# Altium PCB PCB3.PcbDoc (part 6 of 9)
Units mm, origin at the board's own origin, x right, y up, seen from the top; angles counter-clockwise.
Board outline 233.8 x 110.5 mm, 4 copper layers (Top Layer, Layer 1, Layer 2, Bottom Layer), stack 0.603 mm thick; 1414 components, 1732 nets, 4924 pads, 691 vias.
Unrouted connection lines stored in the file: 2464.
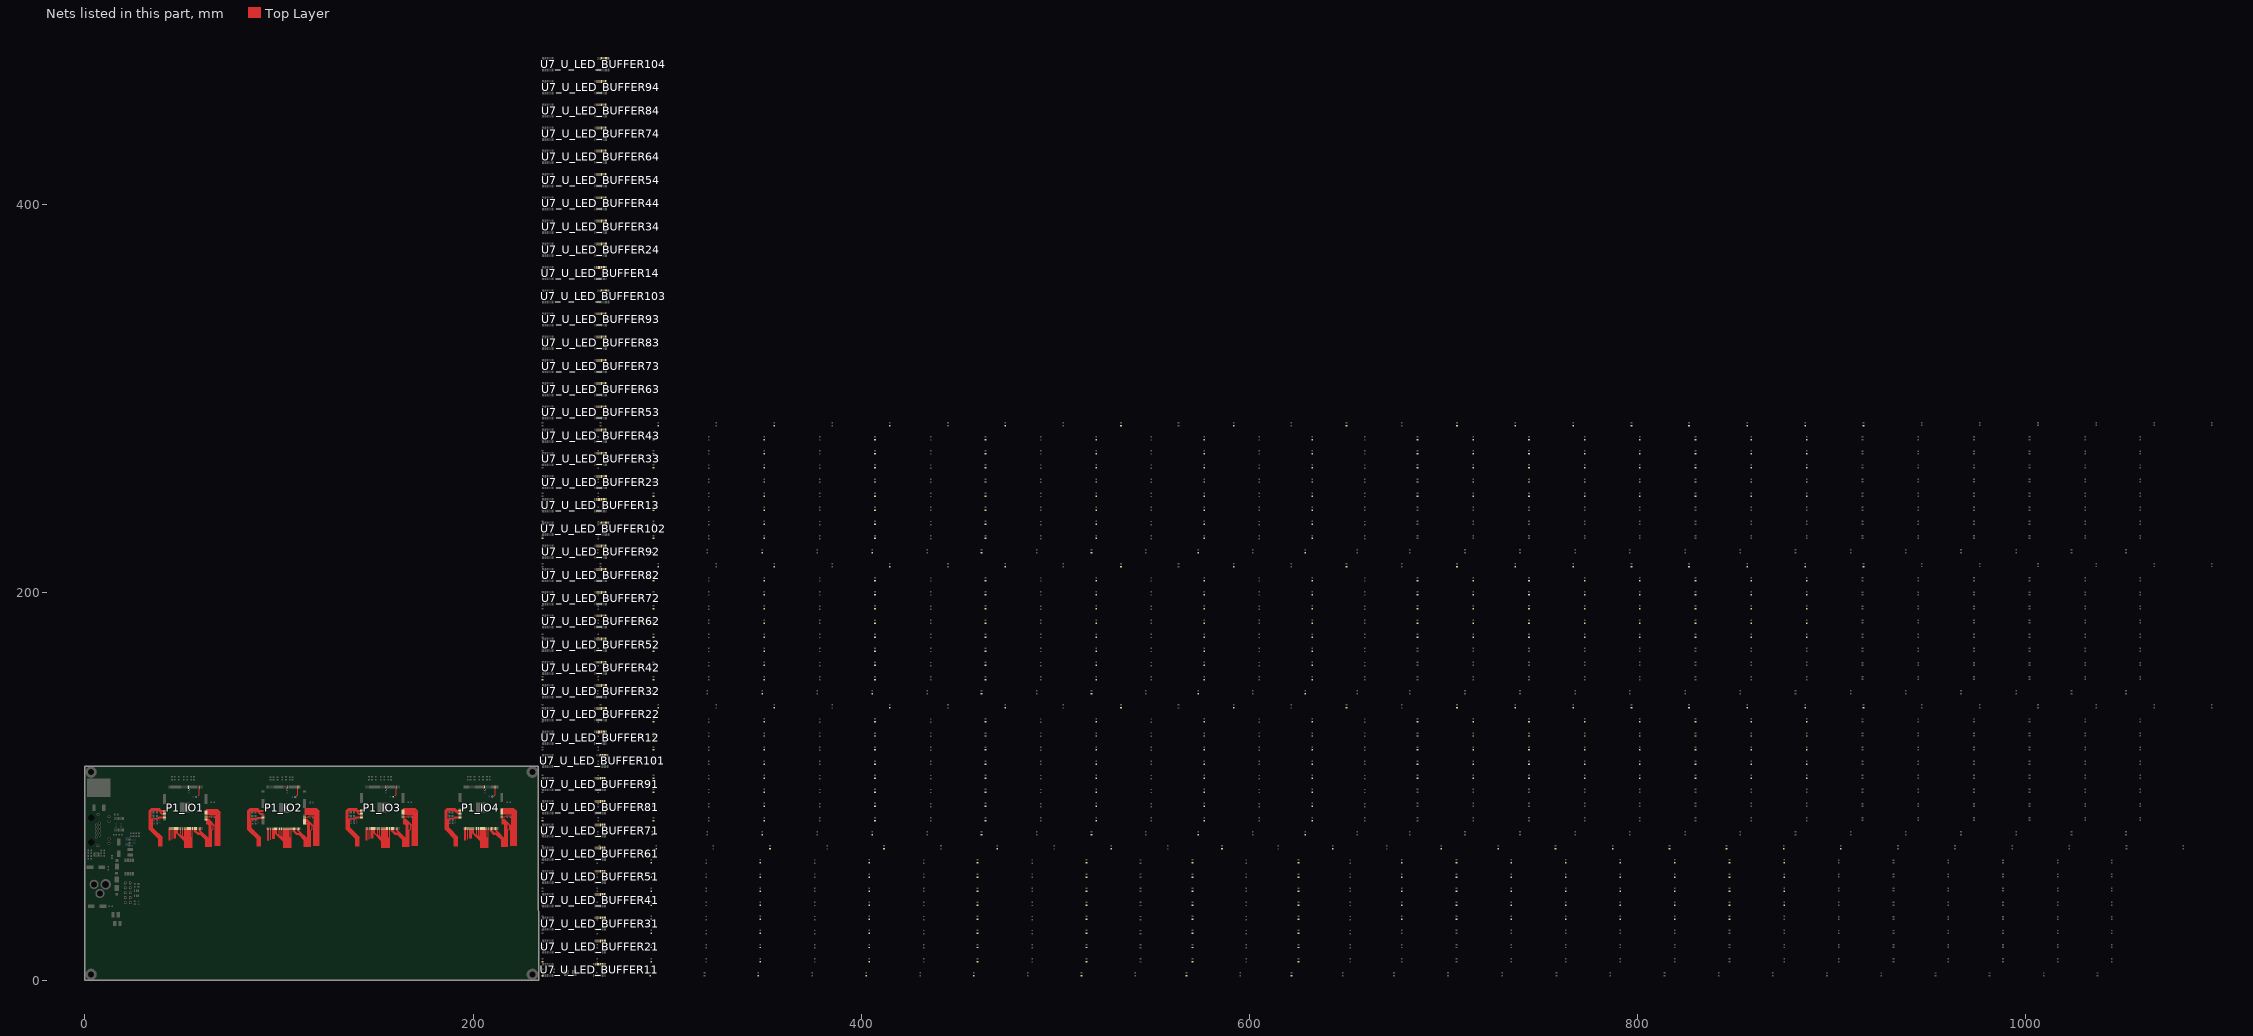
[diagram p8: the nets of this part, all layers, seen from the top]

## Via types
v1: diameter 0.61, hole 0.305, Top Layer to Bottom Layer, 691 vias

## Nets (pads, with @x,y where several pads share a name; then routed paths per layer and width w, separated by ;. In a path a pad name is that pad's centre, name@x,y a point inside that pad or via, vN(x,y) a via of type N, cw(c..) or ccw(c..) an arc to the next point about the centre after c; other vN are vias at no path point) (continued)
GPIO_32_IO2: P1_IO2.90 R47_U_LED_BUFFER52.2 | length 25.9
  Top Layer w0.178: P1_IO2.90@113.248,88.703 113.253,88.698 119.226,88.698 120.82,87.104 120.82,69.422
GPIO_32_IO3: P1_IO3.90 R47_U_LED_BUFFER53.2 | length 25.9
  Top Layer w0.178: P1_IO3.90@163.969,88.791 163.974,88.786 169.947,88.786 171.542,87.191 171.542,69.51
GPIO_32_IO4: P1_IO4.90 R47_U_LED_BUFFER54.2 | length 25.9
  Top Layer w0.178: P1_IO4.90@214.845,88.795 214.85,88.79 220.823,88.79 222.418,87.195 222.418,69.513
GPIO_33_IO1: P1_IO1.87 R48_U_LED_BUFFER51.2 | length 23.6
  Top Layer w0.178: P1_IO1.87@62.42,87.269 62.425,87.264 67.776,87.264 68.926,86.115 68.926,69.488
GPIO_33_IO2: P1_IO2.87 R48_U_LED_BUFFER52.2 | length 23.6
  Top Layer w0.178: P1_IO2.87@113.248,87.203 113.253,87.198 118.604,87.198 119.753,86.049 119.753,69.422
GPIO_33_IO3: P1_IO3.87 R48_U_LED_BUFFER53.2 | length 23.6
  Top Layer w0.178: P1_IO3.87@163.969,87.291 163.974,87.286 169.326,87.286 170.475,86.137 170.475,69.51
GPIO_33_IO4: P1_IO4.87 R48_U_LED_BUFFER54.2 | length 23.6
  Top Layer w0.178: P1_IO4.87@214.845,87.295 214.85,87.29 220.202,87.29 221.351,86.14 221.351,69.513
GPIO_34_IO1: P1_IO1.88 R49_U_LED_BUFFER51.2 | length 24.4
  Top Layer w0.178: P1_IO1.88@62.42,87.769 62.425,87.764 67.984,87.764 69.281,86.467 69.281,69.488
GPIO_34_IO2: P1_IO2.88 R49_U_LED_BUFFER52.2 | length 24.4
  Top Layer w0.178: P1_IO2.88@113.248,87.703 113.253,87.698 118.811,87.698 120.109,86.401 120.109,69.422
GPIO_34_IO3: P1_IO3.88 R49_U_LED_BUFFER53.2 | length 24.4
  Top Layer w0.178: P1_IO3.88@163.969,87.791 163.974,87.786 169.533,87.786 170.83,86.488 170.83,69.51
GPIO_34_IO4: P1_IO4.88 R49_U_LED_BUFFER54.2 | length 24.4
  Top Layer w0.178: P1_IO4.88@214.845,87.795 214.85,87.79 220.409,87.79 221.707,86.492 221.707,69.513
GPIO_35_IO1: P1_IO1.89 R50_U_LED_BUFFER51.2 | length 25.1
  Top Layer w0.178: P1_IO1.89@62.42,88.269 62.425,88.264 68.191,88.264 69.637,86.818 69.637,69.488
GPIO_35_IO2: P1_IO2.89 R50_U_LED_BUFFER52.2 | length 25.1
  Top Layer w0.178: P1_IO2.89@113.248,88.203 113.253,88.198 119.019,88.198 120.465,86.752 120.465,69.422
GPIO_35_IO3: P1_IO3.89 R50_U_LED_BUFFER53.2 | length 25.1
  Top Layer w0.178: P1_IO3.89@163.969,88.291 163.974,88.286 169.74,88.286 171.186,86.84 171.186,69.51
GPIO_35_IO4: P1_IO4.89 R50_U_LED_BUFFER54.2 | length 25.1
  Top Layer w0.178: P1_IO4.89@214.845,88.295 214.85,88.29 220.616,88.29 222.062,86.843 222.062,69.513
GPIO_36_IO1: P1_IO1.86 R51_U_LED_BUFFER51.2 | length 22.8
  Top Layer w0.178: P1_IO1.86@62.42,86.769 62.425,86.764 67.569,86.764 68.57,85.764 68.57,69.488
GPIO_36_IO2: P1_IO2.86 R51_U_LED_BUFFER52.2 | length 22.8
  Top Layer w0.178: P1_IO2.86@113.248,86.703 113.253,86.698 118.397,86.698 119.398,85.698 119.398,69.422
GPIO_36_IO3: P1_IO3.86 R51_U_LED_BUFFER53.2 | length 22.8
  Top Layer w0.178: P1_IO3.86@163.969,86.791 163.974,86.786 169.119,86.786 170.119,85.785 170.119,69.51
GPIO_36_IO4: P1_IO4.86 R51_U_LED_BUFFER54.2 | length 22.8
  Top Layer w0.178: P1_IO4.86@214.845,86.795 214.85,86.79 219.995,86.79 220.995,85.789 220.995,69.513
GPIO_37_IO1: P1_IO1.85 R52_U_LED_BUFFER51.2 | length 22.1
  Top Layer w0.178: P1_IO1.85@62.42,86.269 62.425,86.264 67.362,86.264 68.205,85.422 68.205,69.488
GPIO_37_IO2: P1_IO2.85 R52_U_LED_BUFFER52.2 | length 22.1
  Top Layer w0.178: P1_IO2.85@113.248,86.203 113.253,86.198 118.19,86.198 119.033,85.356 119.033,69.422
GPIO_37_IO3: P1_IO3.85 R52_U_LED_BUFFER53.2 | length 22.1
  Top Layer w0.178: P1_IO3.85@163.969,86.291 163.974,86.286 168.911,86.286 169.754,85.443 169.754,69.51
GPIO_37_IO4: P1_IO4.85 R52_U_LED_BUFFER54.2 | length 22.1
  Top Layer w0.178: P1_IO4.85@214.845,86.295 214.85,86.29 219.788,86.29 220.63,85.447 220.63,69.513
GPIO_38_IO1: P1_IO1.25 R53_U_LED_BUFFER51.2 | length 27.6
  Top Layer w0.178: 39.089,69.234 39.089,73.444 34.264,78.269 34.264,87.144 34.772,87.652 37.743,87.652 39.626,85.769 P1_IO1.25@40.944,85.769
GPIO_38_IO2: P1_IO2.25 R53_U_LED_BUFFER52.2 | length 27.6
  Top Layer w0.178: 89.917,69.168 89.917,73.378 85.092,78.203 85.092,87.078 85.6,87.586 88.571,87.586 90.454,85.703 P1_IO2.25@91.772,85.703
GPIO_38_IO3: P1_IO3.25 R53_U_LED_BUFFER53.2 | length 27.6
  Top Layer w0.178: 140.638,69.256 140.638,73.466 135.813,78.29 135.813,87.166 136.321,87.674 139.292,87.674 141.175,85.791 P1_IO3.25@142.493,85.791
GPIO_38_IO4: P1_IO4.25 R53_U_LED_BUFFER54.2 | length 27.6
  Top Layer w0.178: 191.514,69.259 191.514,73.469 186.69,78.294 186.69,87.17 187.197,87.678 190.168,87.678 192.051,85.795 P1_IO4.25@193.369,85.795
GPIO_39_IO1: P1_IO1.21 R54_U_LED_BUFFER51.2 | length 29
  Top Layer w0.178: 38.022,69.234 38.022,73.002 33.197,77.827 33.197,87.586 34.33,88.719 38.185,88.719 39.135,87.769 P1_IO1.21@40.944,87.769
GPIO_39_IO2: P1_IO2.21 R54_U_LED_BUFFER52.2 | length 29
  Top Layer w0.178: 88.85,69.168 88.85,72.936 84.025,77.761 84.025,87.52 85.158,88.653 89.013,88.653 89.963,87.703 P1_IO2.21@91.772,87.703
GPIO_39_IO3: P1_IO3.21 R54_U_LED_BUFFER53.2 | length 29
  Top Layer w0.178: 139.571,69.256 139.571,73.024 134.747,77.848 134.747,87.608 135.879,88.741 139.734,88.741 140.684,87.791 P1_IO3.21@142.493,87.791
GPIO_39_IO4: P1_IO4.21 R54_U_LED_BUFFER54.2 | length 29
  Top Layer w0.178: 190.447,69.259 190.447,73.028 185.623,77.852 185.623,87.612 186.756,88.744 190.61,88.744 191.56,87.795 P1_IO4.21@193.369,87.795
GPIO_40_IO1: P1_IO1.22 R47_U_LED_BUFFER61.2 | length 28.4
  Top Layer w0.178: 38.378,69.234 38.378,73.149 33.553,77.974 33.553,87.439 34.477,88.363 38.038,88.363 39.132,87.269 P1_IO1.22@40.944,87.269
GPIO_40_IO2: P1_IO2.22 R47_U_LED_BUFFER62.2 | length 28.4
  Top Layer w0.178: 89.205,69.168 89.205,73.083 84.381,77.908 84.381,87.373 85.305,88.297 88.865,88.297 89.96,87.203 P1_IO2.22@91.772,87.203
GPIO_40_IO3: P1_IO3.22 R47_U_LED_BUFFER63.2 | length 28.4
  Top Layer w0.178: 139.927,69.256 139.927,73.171 135.102,77.996 135.102,87.461 136.027,88.385 139.587,88.385 140.681,87.291 P1_IO3.22@142.493,87.291
GPIO_40_IO4: P1_IO4.22 R47_U_LED_BUFFER64.2 | length 28.4
  Top Layer w0.178: 190.803,69.259 190.803,73.175 185.978,77.999 185.978,87.464 186.903,88.389 190.463,88.389 191.557,87.295 P1_IO4.22@193.369,87.295
GPIO_41_IO1: P1_IO1.24 R48_U_LED_BUFFER61.2 | length 28.1
  Top Layer w0.178: 38.733,69.234 38.733,73.297 33.909,78.121 33.909,87.292 34.625,88.008 37.89,88.008 39.629,86.269 P1_IO1.24@40.944,86.269
GPIO_41_IO2: P1_IO2.24 R48_U_LED_BUFFER62.2 | length 28.1
  Top Layer w0.178: 89.561,69.168 89.561,73.231 84.737,78.055 84.737,87.226 85.453,87.942 88.718,87.942 90.457,86.203 P1_IO2.24@91.772,86.203
GPIO_41_IO3: P1_IO3.24 R48_U_LED_BUFFER63.2 | length 28.1
  Top Layer w0.178: 140.282,69.256 140.282,73.318 135.458,78.143 135.458,87.313 136.174,88.029 139.439,88.029 141.178,86.291 P1_IO3.24@142.493,86.291
GPIO_41_IO4: P1_IO4.24 R48_U_LED_BUFFER64.2 | length 28.1
  Top Layer w0.178: 191.159,69.259 191.159,73.322 186.334,78.147 186.334,87.317 187.05,88.033 190.316,88.033 192.054,86.295 P1_IO4.24@193.369,86.295
GPIO_42_IO1: P1_IO1.39 R49_U_LED_BUFFER61.2 | length 6.1
  Top Layer w0.178: 43.932,72.199 P1_IO1.39@43.932,78.281
GPIO_42_IO2: P1_IO2.39 R49_U_LED_BUFFER62.2 | length 6.1
  Top Layer w0.178: 94.76,72.132 P1_IO2.39@94.76,78.215
GPIO_42_IO3: P1_IO3.39 R49_U_LED_BUFFER63.2 | length 6.1
  Top Layer w0.178: 145.481,72.22 P1_IO3.39@145.481,78.303
GPIO_42_IO4: P1_IO4.39 R49_U_LED_BUFFER64.2 | length 6.1
  Top Layer w0.178: 196.357,72.224 P1_IO4.39@196.357,78.307
GPIO_43_IO1: P1_IO1.28 R50_U_LED_BUFFER61.2 | length 22.7
  Top Layer w0.178: 39.444,69.234 39.444,73.591 34.62,78.416 34.62,83.072 35.218,83.671 37.695,83.671 38.293,84.269 P1_IO1.28@40.944,84.269
GPIO_43_IO2: P1_IO2.28 R50_U_LED_BUFFER62.2 | length 22.7
  Top Layer w0.178: 90.272,69.168 90.272,73.525 85.448,78.35 85.448,83.006 86.046,83.604 88.523,83.604 89.121,84.203 P1_IO2.28@91.772,84.203
GPIO_43_IO3: P1_IO3.28 R50_U_LED_BUFFER63.2 | length 22.7
  Top Layer w0.178: 140.994,69.256 140.994,73.613 136.169,78.437 136.169,83.093 136.768,83.692 139.244,83.692 139.842,84.291 P1_IO3.28@142.493,84.291
GPIO_43_IO4: P1_IO4.28 R50_U_LED_BUFFER64.2 | length 22.7
  Top Layer w0.178: 191.87,69.259 191.87,73.617 187.045,78.441 187.045,83.097 187.644,83.696 190.12,83.696 190.719,84.295 P1_IO4.28@193.369,84.295
GPIO_44_IO1: P1_IO1.29 R51_U_LED_BUFFER61.2 | length 22
  Top Layer w0.178: 39.8,69.234 39.8,73.739 34.975,78.563 34.975,82.925 35.302,83.251 37.778,83.251 38.296,83.769 P1_IO1.29@40.944,83.769
GPIO_44_IO2: P1_IO2.29 R51_U_LED_BUFFER62.2 | length 22
  Top Layer w0.178: 90.628,69.168 90.628,73.673 85.803,78.497 85.803,82.858 86.13,83.185 88.606,83.185 89.124,83.703 P1_IO2.29@91.772,83.703
GPIO_44_IO3: P1_IO3.29 R51_U_LED_BUFFER63.2 | length 22
  Top Layer w0.178: 141.349,69.256 141.349,73.76 136.525,78.585 136.525,82.946 136.851,83.273 139.328,83.273 139.845,83.791 P1_IO3.29@142.493,83.791
GPIO_44_IO4: P1_IO4.29 R51_U_LED_BUFFER64.2 | length 22
  Top Layer w0.178: 192.225,69.259 192.225,73.764 187.401,78.589 187.401,82.95 187.728,83.277 190.204,83.277 190.722,83.795 P1_IO4.29@193.369,83.795
GPIO_45_IO1: P1_IO1.38 R52_U_LED_BUFFER61.2 | length 6
  Top Layer w0.178: 43.432,72.248 P1_IO1.38@43.432,78.281
GPIO_45_IO2: P1_IO2.38 R52_U_LED_BUFFER62.2 | length 6
  Top Layer w0.178: 94.26,72.182 P1_IO2.38@94.26,78.215
GPIO_45_IO3: P1_IO3.38 R52_U_LED_BUFFER63.2 | length 6
  Top Layer w0.178: 144.981,72.27 P1_IO3.38@144.981,78.303
GPIO_45_IO4: P1_IO4.38 R52_U_LED_BUFFER64.2 | length 6
  Top Layer w0.178: 195.857,72.273 P1_IO4.38@195.857,78.307
GPIO_46_IO1: P1_IO1.45 R53_U_LED_BUFFER61.2 | length 5.1
  Top Layer w0.178: 46.932,73.187 P1_IO1.45@46.932,78.281
GPIO_46_IO2: P1_IO2.45 R53_U_LED_BUFFER62.2 | length 5.1
  Top Layer w0.178: 97.76,73.121 P1_IO2.45@97.76,78.215
GPIO_46_IO3: P1_IO3.45 R53_U_LED_BUFFER63.2 | length 5.1
  Top Layer w0.178: 148.481,73.209 P1_IO3.45@148.481,78.303
GPIO_46_IO4: P1_IO4.45 R53_U_LED_BUFFER64.2 | length 5.1
  Top Layer w0.178: 199.357,73.212 P1_IO4.45@199.357,78.307
GPIO_47_IO1: P1_IO1.41 R54_U_LED_BUFFER61.2 | length 5.6
  Top Layer w0.178: 44.932,72.696 P1_IO1.41@44.932,78.281
GPIO_47_IO2: P1_IO2.41 R54_U_LED_BUFFER62.2 | length 5.6
  Top Layer w0.178: 95.76,72.63 P1_IO2.41@95.76,78.215
GPIO_47_IO3: P1_IO3.41 R54_U_LED_BUFFER63.2 | length 5.6
  Top Layer w0.178: 146.481,72.717 P1_IO3.41@146.481,78.303
GPIO_47_IO4: P1_IO4.41 R54_U_LED_BUFFER64.2 | length 5.6
  Top Layer w0.178: 197.357,72.721 P1_IO4.41@197.357,78.307
GPIO_48_IO1: P1_IO1.43 R47_U_LED_BUFFER71.2 | length 5.1
  Top Layer w0.178: 45.932,73.193 P1_IO1.43@45.932,78.281
GPIO_48_IO2: P1_IO2.43 R47_U_LED_BUFFER72.2 | length 5.1
  Top Layer w0.178: 96.76,73.127 P1_IO2.43@96.76,78.215
GPIO_48_IO3: P1_IO3.43 R47_U_LED_BUFFER73.2 | length 5.1
  Top Layer w0.178: 147.481,73.214 P1_IO3.43@147.481,78.303
GPIO_48_IO4: P1_IO4.43 R47_U_LED_BUFFER74.2 | length 5.1
  Top Layer w0.178: 198.357,73.218 P1_IO4.43@198.357,78.307
GPIO_49_IO1: P1_IO1.44 R48_U_LED_BUFFER71.2 | length 5.1
  Top Layer w0.178: 46.432,73.19 P1_IO1.44@46.432,78.281
GPIO_49_IO2: P1_IO2.44 R48_U_LED_BUFFER72.2 | length 5.1
  Top Layer w0.178: 97.26,73.124 P1_IO2.44@97.26,78.215
GPIO_49_IO3: P1_IO3.44 R48_U_LED_BUFFER73.2 | length 5.1
  Top Layer w0.178: 147.981,73.211 P1_IO3.44@147.981,78.303
GPIO_49_IO4: P1_IO4.44 R48_U_LED_BUFFER74.2 | length 5.1
  Top Layer w0.178: 198.857,73.215 P1_IO4.44@198.857,78.307
GPIO_50_IO1: P1_IO1.52 R49_U_LED_BUFFER71.2 | length 10.7
  Top Layer w0.178: P1_IO1.52@50.432,78.281 50.432,74.275 52.587,72.12 52.587,68.476
GPIO_50_IO2: P1_IO2.52 R49_U_LED_BUFFER72.2 | length 10.7
  Top Layer w0.178: P1_IO2.52@101.26,78.215 101.26,74.209 103.415,72.054 103.415,68.41
GPIO_50_IO3: P1_IO3.52 R49_U_LED_BUFFER73.2 | length 10.7
  Top Layer w0.178: P1_IO3.52@151.981,78.303 151.981,74.297 154.136,72.141 154.136,68.498
GPIO_50_IO4: P1_IO4.52 R49_U_LED_BUFFER74.2 | length 10.7
  Top Layer w0.178: P1_IO4.52@202.857,78.307 202.857,74.301 205.013,72.145 205.013,68.502
GPIO_51_IO1: P1_IO1.46 R50_U_LED_BUFFER71.2 | length 11.5
  Top Layer w0.178: P1_IO1.46@47.432,78.281 47.432,75.766 51.52,71.678 51.52,68.476
GPIO_51_IO2: P1_IO2.46 R50_U_LED_BUFFER72.2 | length 11.5
  Top Layer w0.178: P1_IO2.46@98.26,78.215 98.26,75.7 102.348,71.612 102.348,68.41
GPIO_51_IO3: P1_IO3.46 R50_U_LED_BUFFER73.2 | length 11.5
  Top Layer w0.178: P1_IO3.46@148.981,78.303 148.981,75.788 153.07,71.7 153.07,68.498
GPIO_51_IO4: P1_IO4.46 R50_U_LED_BUFFER74.2 | length 11.5
  Top Layer w0.178: P1_IO4.46@199.857,78.307 199.857,75.792 203.946,71.703 203.946,68.502
GPIO_52_IO1: P1_IO1.47 R51_U_LED_BUFFER71.2 | length 11.4
  Top Layer w0.178: P1_IO1.47@47.932,78.281 47.932,75.769 51.876,71.825 51.876,68.476
GPIO_52_IO2: P1_IO2.47 R51_U_LED_BUFFER72.2 | length 11.4
  Top Layer w0.178: P1_IO2.47@98.76,78.215 98.76,75.703 102.704,71.759 102.704,68.41
GPIO_52_IO3: P1_IO3.47 R51_U_LED_BUFFER73.2 | length 11.4
  Top Layer w0.178: P1_IO3.47@149.481,78.303 149.481,75.791 153.425,71.847 153.425,68.498
GPIO_52_IO4: P1_IO4.47 R51_U_LED_BUFFER74.2 | length 11.4
  Top Layer w0.178: P1_IO4.47@200.357,78.307 200.357,75.795 204.301,71.851 204.301,68.502
GPIO_53_IO1: P1_IO1.50 R52_U_LED_BUFFER71.2 | length 11
  Top Layer w0.178: P1_IO1.50@49.432,78.281 49.432,74.772 52.232,71.973 52.232,68.476
GPIO_53_IO2: P1_IO2.50 R52_U_LED_BUFFER72.2 | length 11
  Top Layer w0.178: P1_IO2.50@100.26,78.215 100.26,74.706 103.06,71.907 103.06,68.41
GPIO_53_IO3: P1_IO3.50 R52_U_LED_BUFFER73.2 | length 11
  Top Layer w0.178: P1_IO3.50@150.981,78.303 150.981,74.794 153.781,71.994 153.781,68.498
GPIO_53_IO4: P1_IO4.50 R52_U_LED_BUFFER74.2 | length 11
  Top Layer w0.178: P1_IO4.50@201.857,78.307 201.857,74.798 204.657,71.998 204.657,68.502
GPIO_54_IO1: P1_IO1.57 R53_U_LED_BUFFER71.2 | length 10.3
  Top Layer w0.178: P1_IO1.57@52.932,78.281 52.932,73.787 54.01,72.709 54.01,68.476
GPIO_54_IO2: P1_IO2.57 R53_U_LED_BUFFER72.2 | length 10.3
  Top Layer w0.178: P1_IO2.57@103.76,78.215 103.76,73.721 104.838,72.643 104.838,68.41
GPIO_54_IO3: P1_IO3.57 R53_U_LED_BUFFER73.2 | length 10.3
  Top Layer w0.178: P1_IO3.57@154.481,78.303 154.481,73.808 155.559,72.731 155.559,68.498
GPIO_54_IO4: P1_IO4.57 R53_U_LED_BUFFER74.2 | length 10.3
  Top Layer w0.178: P1_IO4.57@205.357,78.307 205.357,73.812 206.435,72.734 206.435,68.502
GPIO_55_IO1: P1_IO1.54 R54_U_LED_BUFFER71.2 | length 10.4
  Top Layer w0.178: P1_IO1.54@51.432,78.281 51.432,73.778 52.943,72.267 52.943,68.476
GPIO_55_IO2: P1_IO2.54 R54_U_LED_BUFFER72.2 | length 10.4
  Top Layer w0.178: P1_IO2.54@102.26,78.215 102.26,73.712 103.771,72.201 103.771,68.41
GPIO_55_IO3: P1_IO3.54 R54_U_LED_BUFFER73.2 | length 10.4
  Top Layer w0.178: P1_IO3.54@152.981,78.303 152.981,73.8 154.492,72.289 154.492,68.498
GPIO_55_IO4: P1_IO4.54 R54_U_LED_BUFFER74.2 | length 10.4
  Top Layer w0.178: P1_IO4.54@203.857,78.307 203.857,73.803 205.368,72.293 205.368,68.502
GPIO_56_IO1: P1_IO1.55 R47_U_LED_BUFFER81.2 | length 10.4
  Top Layer w0.178: P1_IO1.55@51.932,78.281 51.932,73.781 53.298,72.415 53.298,68.476
GPIO_56_IO2: P1_IO2.55 R47_U_LED_BUFFER82.2 | length 10.4
  Top Layer w0.178: P1_IO2.55@102.76,78.215 102.76,73.715 104.126,72.348 104.126,68.41
GPIO_56_IO3: P1_IO3.55 R47_U_LED_BUFFER83.2 | length 10.4
  Top Layer w0.178: P1_IO3.55@153.481,78.303 153.481,73.802 154.848,72.436 154.848,68.498
GPIO_56_IO4: P1_IO4.55 R47_U_LED_BUFFER84.2 | length 10.4
  Top Layer w0.178: P1_IO4.55@204.357,78.307 204.357,73.806 205.724,72.44 205.724,68.502
GPIO_57_IO1: P1_IO1.56 R48_U_LED_BUFFER81.2 | length 10.3
  Top Layer w0.178: P1_IO1.56@52.432,78.281 52.432,73.784 53.654,72.562 53.654,68.476
GPIO_57_IO2: P1_IO2.56 R48_U_LED_BUFFER82.2 | length 10.3
  Top Layer w0.178: P1_IO2.56@103.26,78.215 103.26,73.718 104.482,72.496 104.482,68.41
GPIO_57_IO3: P1_IO3.56 R48_U_LED_BUFFER83.2 | length 10.3
  Top Layer w0.178: P1_IO3.56@153.981,78.303 153.981,73.805 155.203,72.583 155.203,68.498
GPIO_57_IO4: P1_IO4.56 R48_U_LED_BUFFER84.2 | length 10.3
  Top Layer w0.178: P1_IO4.56@204.857,78.307 204.857,73.809 206.079,72.587 206.079,68.502
GPIO_58_IO1: P1_IO1.62 R49_U_LED_BUFFER81.2 | length 9.8
  Top Layer w0.178: 55.432,68.476 P1_IO1.62@55.432,78.281
GPIO_58_IO2: P1_IO2.62 R49_U_LED_BUFFER82.2 | length 9.8
  Top Layer w0.178: 106.26,68.41 P1_IO2.62@106.26,78.215
GPIO_58_IO3: P1_IO3.62 R49_U_LED_BUFFER83.2 | length 9.8
  Top Layer w0.178: 156.981,68.498 P1_IO3.62@156.981,78.303
GPIO_58_IO4: P1_IO4.62 R49_U_LED_BUFFER84.2 | length 9.8
  Top Layer w0.178: 207.857,68.502 P1_IO4.62@207.857,78.307
GPIO_59_IO1: P1_IO1.58 R50_U_LED_BUFFER81.2 | length 10.2
  Top Layer w0.178: P1_IO1.58@53.432,78.281 53.432,73.79 54.365,72.856 54.365,68.476
GPIO_59_IO2: P1_IO2.58 R50_U_LED_BUFFER82.2 | length 10.2
  Top Layer w0.178: P1_IO2.58@104.26,78.215 104.26,73.724 105.193,72.79 105.193,68.41
GPIO_59_IO3: P1_IO3.58 R50_U_LED_BUFFER83.2 | length 10.2
  Top Layer w0.178: P1_IO3.58@154.981,78.303 154.981,73.811 155.914,72.878 155.914,68.498
GPIO_59_IO4: P1_IO4.58 R50_U_LED_BUFFER84.2 | length 10.2
  Top Layer w0.178: P1_IO4.58@205.857,78.307 205.857,73.815 206.791,72.882 206.791,68.502
GPIO_60_IO1: P1_IO1.59 R51_U_LED_BUFFER81.2 | length 10.1
  Top Layer w0.178: P1_IO1.59@53.932,78.281 53.932,73.792 54.721,73.004 54.721,68.476
GPIO_60_IO2: P1_IO2.59 R51_U_LED_BUFFER82.2 | length 10.1
  Top Layer w0.178: P1_IO2.59@104.76,78.215 104.76,73.726 105.549,72.938 105.549,68.41
GPIO_60_IO3: P1_IO3.59 R51_U_LED_BUFFER83.2 | length 10.1
  Top Layer w0.178: P1_IO3.59@155.481,78.303 155.481,73.814 156.27,73.025 156.27,68.498
GPIO_60_IO4: P1_IO4.59 R51_U_LED_BUFFER84.2 | length 10.1
  Top Layer w0.178: P1_IO4.59@206.357,78.307 206.357,73.818 207.146,73.029 207.146,68.502
GPIO_61_IO1: P1_IO1.60 R52_U_LED_BUFFER81.2 | length 10.1
  Top Layer w0.178: P1_IO1.60@54.432,78.281 54.432,73.795 55.076,73.151 55.076,68.476
GPIO_61_IO2: P1_IO2.60 R52_U_LED_BUFFER82.2 | length 10.1
  Top Layer w0.178: P1_IO2.60@105.26,78.215 105.26,73.729 105.904,73.085 105.904,68.41
GPIO_61_IO3: P1_IO3.60 R52_U_LED_BUFFER83.2 | length 10.1
  Top Layer w0.178: P1_IO3.60@155.981,78.303 155.981,73.817 156.626,73.173 156.626,68.498
GPIO_61_IO4: P1_IO4.60 R52_U_LED_BUFFER84.2 | length 10.1
  Top Layer w0.178: P1_IO4.60@206.857,78.307 206.857,73.821 207.502,73.176 207.502,68.502
GPIO_62_IO1: P1_IO1.69 R53_U_LED_BUFFER81.2 | length 11.1
  Top Layer w0.178: P1_IO1.69@58.932,78.281 58.932,77.274 63.334,72.872 63.334,69.014
GPIO_62_IO2: P1_IO2.69 R53_U_LED_BUFFER82.2 | length 11.1
  Top Layer w0.178: P1_IO2.69@109.76,78.215 109.76,77.208 114.162,72.806 114.162,68.948
GPIO_62_IO3: P1_IO3.69 R53_U_LED_BUFFER83.2 | length 11.1
  Top Layer w0.178: P1_IO3.69@160.481,78.303 160.481,77.296 164.883,72.894 164.883,69.036
GPIO_62_IO4: P1_IO4.69 R53_U_LED_BUFFER84.2 | length 11.1
  Top Layer w0.178: P1_IO4.69@211.357,78.307 211.357,77.299 215.759,72.898 215.759,69.04
GPIO_63_IO1: P1_IO1.64 R54_U_LED_BUFFER81.2 | length 12.4
  Top Layer w0.178: P1_IO1.64@56.432,78.281 56.432,77.018 58.12,75.33 59.367,75.33 62.267,72.43 62.267,69.014
GPIO_63_IO2: P1_IO2.64 R54_U_LED_BUFFER82.2 | length 12.4
  Top Layer w0.178: P1_IO2.64@107.26,78.215 107.26,76.952 108.948,75.264 110.195,75.264 113.095,72.364 113.095,68.948
GPIO_63_IO3: P1_IO3.64 R54_U_LED_BUFFER83.2 | length 12.4
  Top Layer w0.178: P1_IO3.64@157.981,78.303 157.981,77.039 159.669,75.352 160.917,75.352 163.816,72.452 163.816,69.036
GPIO_63_IO4: P1_IO4.64 R54_U_LED_BUFFER84.2 | length 12.4
  Top Layer w0.178: P1_IO4.64@208.857,78.307 208.857,77.043 210.545,75.355 211.793,75.355 214.692,72.456 214.692,69.04
GPIO_64_IO1: P1_IO1.65 R47_U_LED_BUFFER91.2 | length 12.4
  Top Layer w0.178: P1_IO1.65@56.932,78.278 56.932,77.021 58.267,75.686 59.515,75.686 62.623,72.578 62.623,69.014
GPIO_64_IO2: P1_IO2.65 R47_U_LED_BUFFER92.2 | length 12.4
  Top Layer w0.178: P1_IO2.65@107.76,78.212 107.76,76.955 109.095,75.62 110.343,75.62 113.451,72.512 113.451,68.948
GPIO_64_IO3: P1_IO3.65 R47_U_LED_BUFFER93.2 | length 12.4
  Top Layer w0.178: P1_IO3.65@158.481,78.3 158.481,77.042 159.816,75.707 161.064,75.707 164.172,72.599 164.172,69.036
GPIO_64_IO4: P1_IO4.65 R47_U_LED_BUFFER94.2 | length 12.4
  Top Layer w0.178: P1_IO4.65@209.357,78.304 209.357,77.046 210.692,75.711 211.94,75.711 215.048,72.603 215.048,69.04
GPIO_65_IO1: P1_IO1.66 R48_U_LED_BUFFER91.2 | length 12.3
  Top Layer w0.178: P1_IO1.66@57.432,78.281 57.432,77.023 58.414,76.041 59.662,76.041 62.978,72.725 62.978,69.014
GPIO_65_IO2: P1_IO2.66 R48_U_LED_BUFFER92.2 | length 12.3
  Top Layer w0.178: P1_IO2.66@108.26,78.215 108.26,76.957 109.242,75.975 110.49,75.975 113.806,72.659 113.806,68.948
GPIO_65_IO3: P1_IO3.66 R48_U_LED_BUFFER93.2 | length 12.3
  Top Layer w0.178: P1_IO3.66@158.981,78.303 158.981,77.045 159.964,76.063 161.211,76.063 164.527,72.747 164.527,69.036
GPIO_65_IO4: P1_IO4.66 R48_U_LED_BUFFER94.2 | length 12.3
  Top Layer w0.178: P1_IO4.66@209.857,78.307 209.857,77.049 210.84,76.067 212.087,76.067 215.404,72.75 215.404,69.04
GPIO_66_IO1: P1_IO1.76 R49_U_LED_BUFFER91.2 | length 14.3
  Top Layer w0.178: P1_IO1.76@62.42,81.769 63.401,81.769 64.756,80.413 64.756,73.461 64.756,69.014
GPIO_66_IO2: P1_IO2.76 R49_U_LED_BUFFER92.2 | length 14.3
  Top Layer w0.178: P1_IO2.76@113.248,81.703 114.229,81.703 115.584,80.347 115.584,73.395 115.584,68.948
GPIO_66_IO3: P1_IO3.76 R49_U_LED_BUFFER93.2 | length 14.3